# Altium PCB Bub Commander.PcbDoc
Units mm, origin at the board's own origin, x right, y up, seen from the top; angles counter-clockwise.
Board outline 200 x 100 mm, 2 copper layers (Top Layer, Bottom Layer), stack 1.571 mm thick; 109 components, 78 nets, 420 pads, 741 vias.
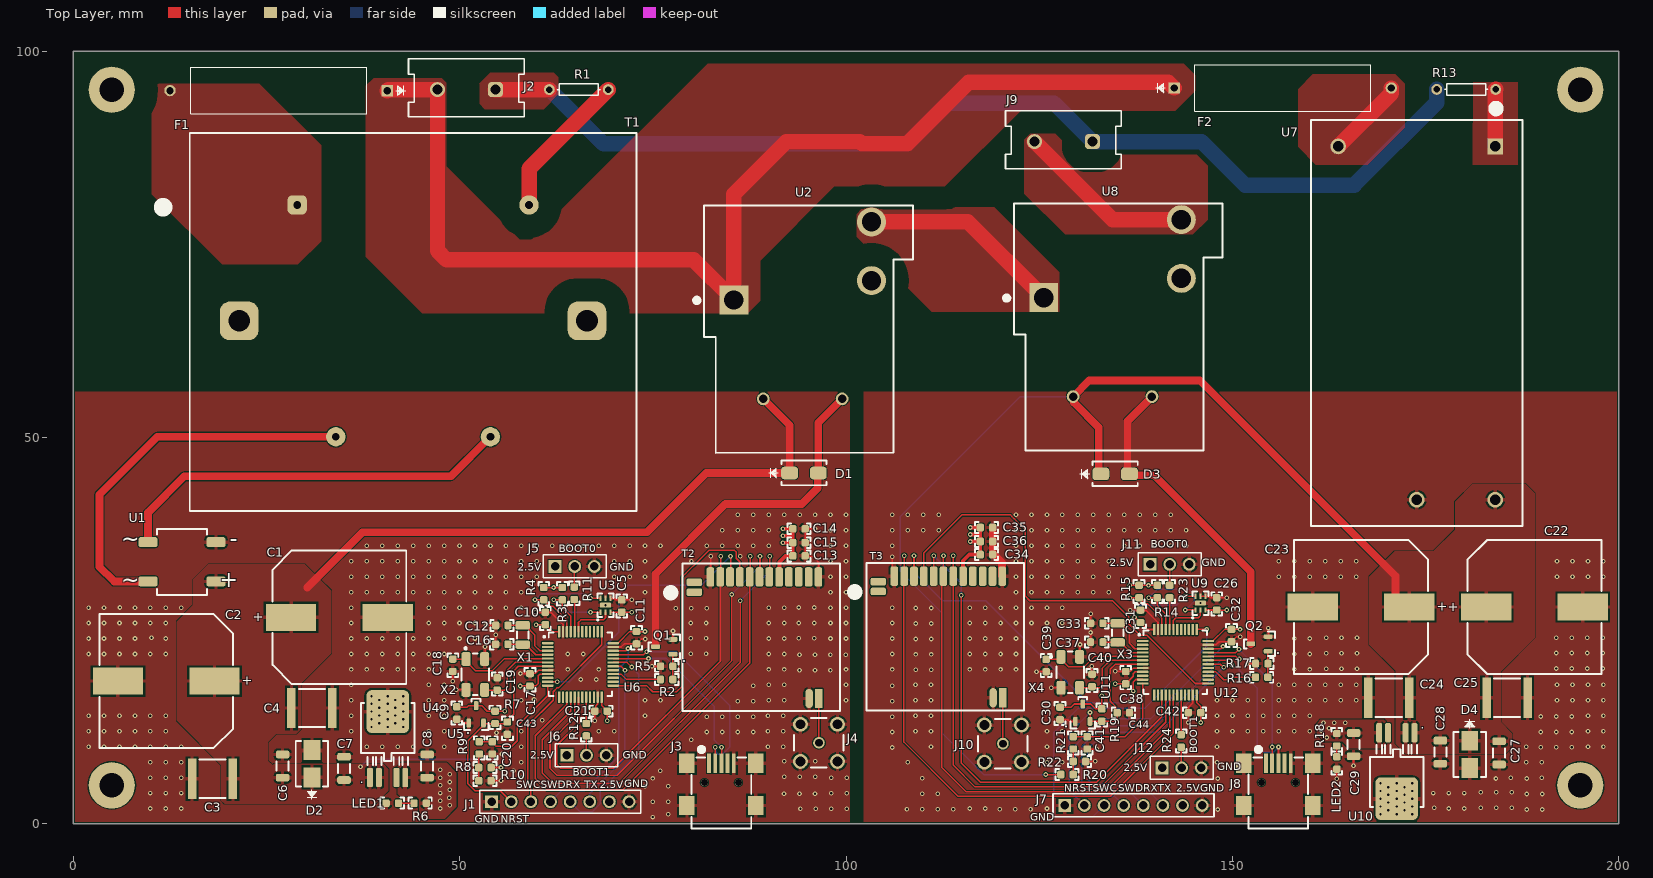
[diagram p0: Top Layer view]
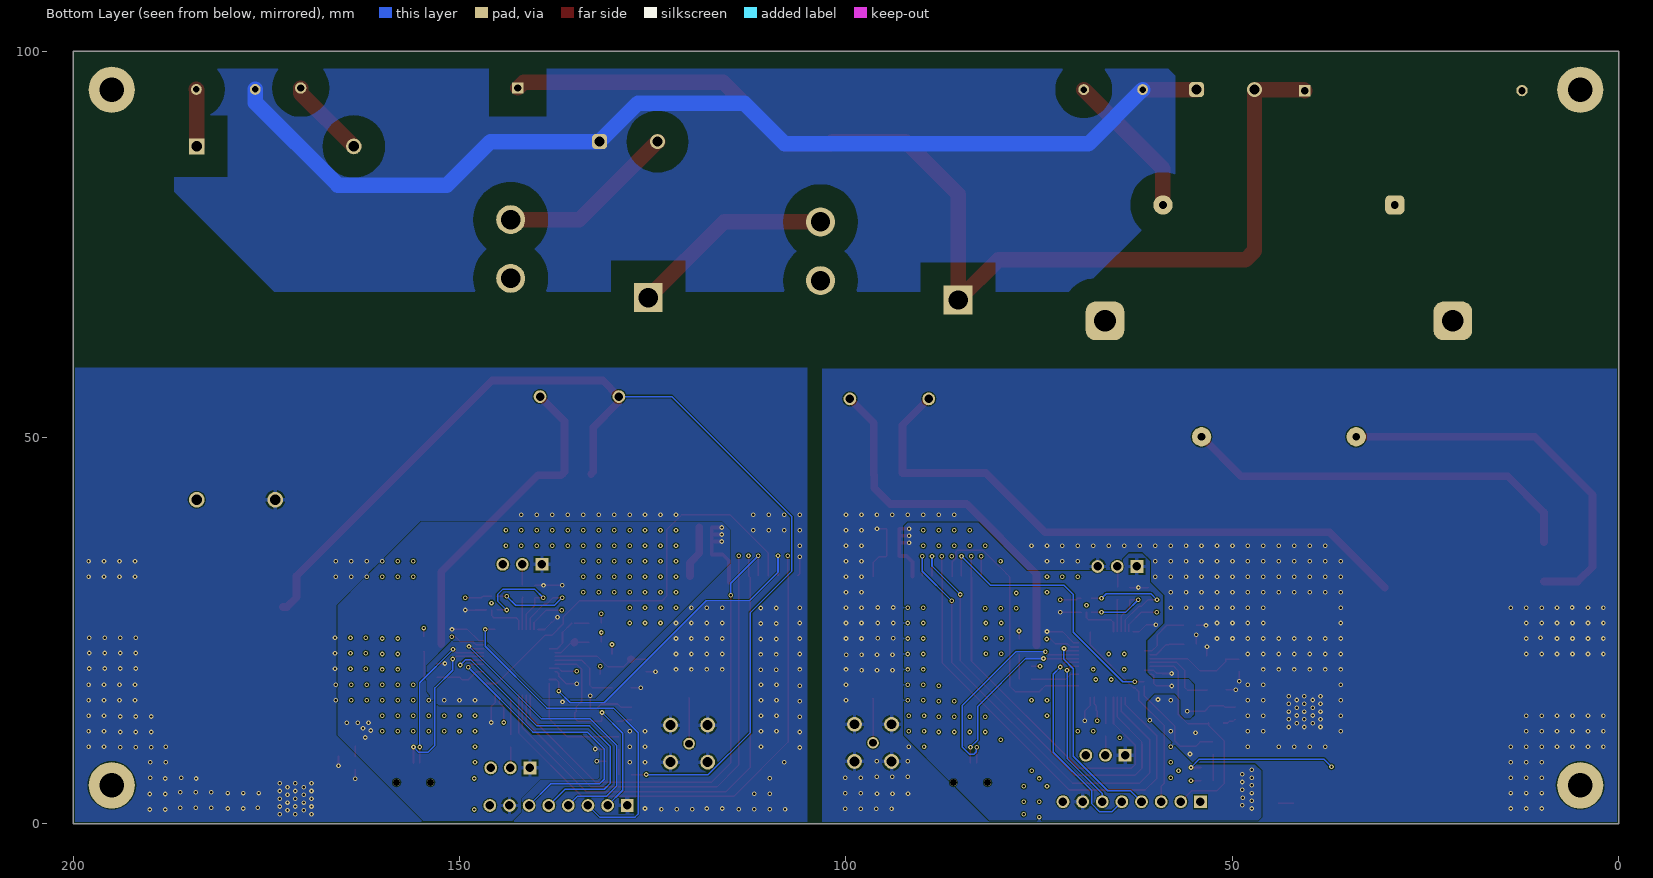
[diagram p1: Bottom Layer view, seen from below]

## Layer stack, top to bottom
Top Solder: solder mask 0.0102, Solder Resist, Dk 3.5
Top Layer: signal copper 0.0356
Dielectric 1: dielectric 1.5, FR-4, Dk 4.8
Bottom Layer: signal copper 0.0356
Bottom Solder: solder mask 0.0102, Solder Resist, Dk 3.5

## Board outline
0,0 0,100 200,100 200,0

## Design rules (kind name [scope] priority, off if disabled: settings)
BoardOutlineClearance [All] p1: gap=0.3 ignorepadtopadclearanceinfootprint=FALSE
Clearance [InNetClass('230V')] p1: gap=3 ignorepadtopadclearanceinfootprint=FALSE
Clearance Clearance_all [All] p2: gap=0.127 ignorepadtopadclearanceinfootprint=FALSE
PolygonConnect PolygonConnect_1 [InNetClass('230V')] p1: connectstyle=Direct reliefconductorwidth=0.254 reliefentries=4 polygonreliefangle="90 Angle" airgapwidth=0.254
PolygonConnect [All] p2: thpad.connectstyle=Relief thpad.reliefconductorwidth=0.5 thpad.reliefentries=4 thpad.polygonreliefangle="90 Angle" thpad.airgapwidth=0.254 smdpad.connectstyle=Relief smdpad.reliefconductorwidth=0.5 smdpad.reliefentries=4 smdpad.polygonreliefangle="90 Angle" smdpad.airgapwidth=0.254 via.connectstyle=Direct via.reliefconductorwidth=0.254 via.reliefentries=4 via.polygonreliefangle="90 Angle" via.airgapwidth=0.254
RoomDefinition BulbCommander2 [InComponentClass('BulbCommander2')] p1: confinementstyle=ConfineIn formatcopy=TRUE lockcomponents=FALSE outline -0.4,-227 50.4,-227 50.4,-201.6 -0.4,-201.6
RoomDefinition BulbCommander1 [InComponentClass('BulbCommander1')] p2: confinementstyle=ConfineIn formatcopy=TRUE lockcomponents=FALSE outline -0.4,-227 50.4,-227 50.4,-201.6 -0.4,-201.6
RoutingVias [All] p1: holewidth=0.711 width=1.27 viastyle="Through Hole" minholewidth=0.711 minwidth=1.27 maxholewidth=0.711 maxwidth=1.27
SilkToSilkClearance [All] p1: silktosilkclearance=0.05
SilkToSolderMaskClearance [IsPad] p1: minsilkscreentomaskgap=0 clearancetoexposedcopper=TRUE
SolderMaskExpansion [All] p1: expansion=0.102 istentingtop=FALSE soldermaskfromhole=TRUE
Width [All] p1: maxlimit=2 minlimit=0.2 preferedwidth=0.2 minimp=50.000000 maximp=50.000000 favimp=50.000000
28 further rules are at their usual default settings.

## Classes and differential pairs
net class 230V: 230V_AC 230V_AC_F1 230V_AC_F2 BULB BULB_FINAL_C NUL NUL_VRT1 NUL_VRT2
component class BulbCommander2: C22 C23 C24 C25 C26 C27 C28 C29 C30 C31 C32 C33 C34 C35 C36 C37 C38 C39 C40 C41 C42 C44 D3 D4 F2 J7 J8 J9 J10 J11 J12 LED2 Q2 R13 R14 R15 R16 R17 R18 R19 R20 R21 R22 R23 R24 T3 U7 U8 U9 U10 U11 U12 X3 X4
component class BulbCommander1: C1 C2 C3 C4 C5 C6 C7 C8 C9 C10 C11 C12 C13 C14 C15 C16 C17 C18 C19 C20 C21 C43 D1 D2 F1 J1 J2 J3 J4 J5 J6 LED1 Q1 R1 R2 R3 R4 R5 R6 R7 R8 R9 R10 R11 R12 T1 T2 U1 U2 U3 U4 U5 U6 X1 X2

## Components (designator, comment, footprint, x,y, rotation, side; value= is the part's Value field where it differs from the comment)
C1 "Cap Pol1" WCAP-ASLL_D16H17 34.452,26.745 r180 top value=470uF
C2 "Cap Pol1" WCAP-ASLL_D16H17 12.049,18.495 r0 top value=470uF
C3 "47uF" 2220 18.032,5.853 r0 top
C4 "47uF" 2220 30.9,15.013 r180 top
C5 "47uF" CASE0603 70.985,28.207 r270 top
C6 "47uF" 1206 27.1,7.5 r270 top
C7 "47uF" 1206 35.05,7.186 r270 top
C8 "47uF" 1206 45.8,7.5 r270 top
C9 "47uF" CASE0603 49.645,14.364 r90 top
C10 "47uF" CASE0603 61.1,26.6 r90 top
C11 "47uF" CASE0603 72.9,24.1 r90 top
C12 "47uF" CASE0603 55.474,25.694 r180 top
C13 "47uF" CASE0603 93.915,34.693 r180 top
C14 "47uF" CASE0603 93.915,38.193 r180 top
C15 "47uF" CASE0603 93.915,36.393 r180 top
C16 "47uF" CASE0603 55.467,23.258 r180 top
C17 "47uF" CASE0603 59.107,18.66 r270 top
C18 "47uF" CASE0603 49.129,20.535 r270 top
C19 "47uF" CASE0603 54.873,18.127 r90 top
C20 "47uF" CASE0603 54.239,9.854 r270 top
C21 "47uF" CASE0603 68.3,14.6 r0 top
C22 "Cap Pol1" WCAP-ASLL_D16H17 189.085,28.076 r180 top value=470uF
C23 "Cap Pol1" WCAP-ASLL_D16H17 166.633,28.076 r0 top value=470uF
C24 "47uF" 2220 170.233,16.343 r0 top
C25 "47uF" 2220 185.533,16.343 r180 top
C26 "47uF" CASE0603 147.963,28.483 r270 top
C27 "47uF" 1206 184.5,9.2 r90 top
C28 "47uF" 1206 176.9,9.3 r90 top
C29 "47uF" 1206 165.667,10.27 r90 top
C30 "47uF" CASE0603 127.7,14.3 r90 top
C31 "47uF" CASE0603 138.103,26.876 r90 top
C32 "47uF" CASE0603 149.878,24.376 r90 top
C33 "DNP" CASE0603 132.452,25.97 r180 top
C34 "47uF" CASE0603 118.172,34.858 r180 top
C35 "47uF" CASE0603 118.172,38.358 r180 top
C36 "47uF" CASE0603 118.172,36.558 r180 top
C37 "DNP" CASE0603 132.445,23.534 r180 top
C38 "47uF" CASE0603 136.183,18.935 r270 top
C39 "22pF" CASE0603 125.9,20.5 r270 top
C40 "22pF" CASE0603 131.84,18.577 r90 top
C41 "47uF" CASE0603 131.2,10.5 r270 top
C42 "47uF" CASE0603 145.1,14.4 r0 top
C43 "47uF" CASE0603 56.185,12.396 r90 top
C44 "47uF" CASE0603 135.885,14.396 r180 top
D1 "ES2AA-13-F" SMA_DIODE 94.558,45.416 r0 top
D2 "SMBJ14CA 14V" SMBJSERIES_LTF-M 30.9,7.8 r90 top
D3 "ES2AA-13-F" SMA_DIODE 134.828,45.296 r0 top
D4 "SMBJ14CA 14V" SMBJSERIES_LTF-M 180.7,9 r270 top
F1 "Fuse" FUSE 26.585,94.896 r180 top
F2 "Fuse" FUSE 156.506,95.229 r0 top
J1 "HDR_1x8" Header_1x8_2.54_Male 54.147,2.883 r0 top
J2 "691137910002" 691137910002 54.644,95.027 r180 top
J3 "CON_USB_Mini_B" CUI_UJ2-MBH-4-SMT 83.881,5.129 r0 top
J4 "SMA_CONNECTOR" LPRS_SMA_CONNECTOR 96.5,10.5 r0 top
J5 "HDR_1x3" HEADER_1X3_2.54_MALE 62.359,33.319 r0 top
J6 "HDR_1x3" HEADER_1X3_2.54_MALE 63.885,8.891 r0 top
J7 "HDR_1x8" Header_1x8_2.54_Male 128.305,2.396 r0 top
J8 "CON_USB_Mini_B" CUI_UJ2-MBH-4-SMT 155.94,5.14 r0 top
J9 "691137910002" 691137910002 131.885,88.296 r180 top
J10 "SMA_CONNECTOR" LPRS_SMA_CONNECTOR 120.3,10.4 r0 top
J11 "HDR_1x3" HEADER_1X3_2.54_MALE 139.337,33.596 r0 top
J12 "HDR_1x3" HEADER_1X3_2.54_MALE 140.889,7.259 r0 top
LED1 "TBD" CASE0603 41.3,2.7 r180 top
LED2 "TBD" CASE0603 163.5,7.9 r270 top
Q1 "2N7002" SOT23-3 76.485,22.929 r180 top
Q2 "2N7002" SOT23-3 153.5,23.3 r180 top
R1 "Res Varistor" AXIAL-0.3 65.428,95.027 r0 top
R2 "10K" CASE0603 76.8,18.7 r180 top
R3 "10K" CASE0603 63.3,29.8 r90 top
R4 "10K" CASE0603 60.9,29.8 r90 top
R5 "10K" CASE0603 76.8,20.4 r0 top
R6 "10K" CASE0603 44.9,2.7 r0 top
R7 "10K" CASE0603 54.6,13.8 r90 top
R8 "10K" CASE0603 53.285,7.296 r0 top
R9 "10K" CASE0603 52.539,9.854 r90 top
R10 "10K" CASE0603 53.285,5.596 r180 top
R11 "10K" CASE0603 64.839,29.854 r90 top
R12 "10K" CASE0603 66.4,12.2 r270 top
R13 "Res Varistor" AXIAL-0.3 180.244,95.04 r0 top
R14 "10K" CASE0603 140.278,30.076 r90 top
R15 "10K" CASE0603 137.919,30.076 r90 top
R16 "10K" CASE0603 153.778,18.976 r180 top
R17 "10K" CASE0603 153.793,20.759 r0 top
R18 "10K" CASE0603 163.5,10.9 r90 top
R19 "10K" CASE0603 133.1,14.1 r90 top
R20 "10K" CASE0603 128.6,6.4 r180 top
R21 "10K" CASE0603 129.4,10.5 r90 top
R22 "10K" CASE0603 130.2,8.1 r180 top
R23 "10K" CASE0603 141.867,30.08 r90 top
R24 "10K" CASE0603 143.369,10.741 r270 top
T1 "44303" TRAF_44303 43.99,65.098 r0 top
T2 "MODULE_SX1278" "LORA SX1278" 88.436,24.107 r180 top
T3 "MODULE_SX1278" "LORA SX1278" 112.236,24.196 r180 top
U1 "DF01S" SOT508P985X260-4N 14.086,33.923 r180 top
U2 "J115F11CH12VDCS61.5" J115F11CH12VDCS615U 85.497,67.803 r0 top
U3 "STTS22HTR" SENSOR_6-UDFN 68.885,28.307 r90 top
U4 "TPS7B8250QKVURQ1" SOT_QKVURQ1_TEX 40.7,12.4 r0 top
U5 "APX803L-15SA-7" SOT23-3 52.147,14.191 r90 top
U6 "STM32F103C8T6" QFP50P900X900X160-48N 65.639,20.654 r0 top
U7 "RAC10-12SK/277" CONV_RAC10-12SK/277 183.997,87.668 r270 top
U8 "J115F11CH12VDCS61.5" J115F11CH12VDCS615U 125.585,68.096 r0 top
U9 "STTS22HTR" SENSOR_6-UDFN 145.863,28.583 r90 top
U10 "TPS7B8250QKVURQ1" SOT_QKVURQ1_TEX 171.263,5.417 r180 top
U11 "APX803L-15SA-7" SOT23-3 130.628,14.401 r90 top
U12 "STM32F103C8T6" QFP50P900X900X160-48N 142.617,20.93 r0 top
X1 "32.768 kHz" XTAL_ECS-.327-12.5-34B-C-TR 58.167,24.458 r90 top
X2 "8MHz" XTAL4P_ABM3B_ABR 52.039,19.354 r0 top
X3 "32.768 kHz" XTAL_ECS-.327-12.5-34B-C-TR 135.145,24.734 r90 top
X4 "8MHz" XTAL4P_ABM3B_ABR 129.017,19.63 r0 top

## Footprints (in the part's own frame and the unit in brackets; to place one, negate y for a bottom-side part, rotate by r counter-clockwise, add the part's x,y. Pads: shape width x height; smd on the part's side, far side on the other; paste and mask are expansions set on the pad)
1206 [mm] "Chip Capacitor, 2-Leads, Body 3.2x1.6mm, IPC Medium Density"
  rrect50% 1x1.75 smd: 1(-1.5,0) 2(1.5,0)
  silkscreen extent -0.6,-0.77 0.6,0.77, body extent -1.6,-0.8 1.6,0.8, height 1
2220 [mm] "Chip Capacitor, 2-Leads, Body 5.7x5.0mm, IPC Medium Density"
  rect 1.1x5.2 smd: 1(-2.65,0) 2(2.65,0)
  silkscreen extent -1.7,-2.47 1.7,2.48, body extent -2.85,-2.5 2.85,2.5, height 2.3
691137910002 [mm] "Horizontal Cable Entry with Pressure Clamp, pitch 7.5mm, 02p"
  rrect50% 1.95x1.95 hole 1.3: 1(0,0)
  round 1.95 hole 1.3: 2(7.5,0)
  silkscreen extent -3.75,-4 11.25,3.5, body extent -3.75,-4 11.25,3.5, height 11.52
AXIAL-0.3 [mm] "Axial Device, Thru-Hole; 2 Leads; 0.3 in Pin Spacing"
  round 1.4 hole 0.85: 1(-3.81,0) 2(3.81,0)
  silkscreen extent -2.77,-0.76 2.77,0.76
CASE0603 [mm]
  rrect50% 0.95x1 smd: 1(-0.8,0) 2(0.8,0)
  silkscreen extent -1.5,-0.7 1.5,0.7, body extent -0.8,-0.43 0.8,0.43, height 0.85
CONV_RAC10-12SK/277 [mm]
  rect 2.03x2.03 hole 1.35: 1(0,0)
  round 2.03 hole 1.35: 2(0,-20.32) 4(45.72,-10.16) 5(45.72,0)
  silkscreen extent -5.4,-23.86 49.11,3.54, body extent -3.39,-23.86 49.11,3.54, height 23
CUI_UJ2-MBH-4-SMT [mm]
  rect 0.5x2.5 smd: 1(-1.6,2.74) 2(-0.8,2.74) 3(0,2.74) 4(0.8,2.74) 5(1.6,2.74)
  rect 2x2.5 smd: SH1(-4.46,2.74) SH2(4.46,2.74) SH3(-4.46,-2.74) SH4(4.46,-2.74)
  round 0.9 hole 0.9 unplated: ""(-2.2,0.23) ""(2.2,0.23)
  silkscreen extent -3.86,-5.71 3.86,4.8, body extent -4.83,-5.71 4.83,3.69, height 0.5
FUSE [mil] "Thru-Hole; 2 Leads"
  rect 58x58 / inner round 60 / far side rect 58x58 hole 38 paste-29 mask+0: 1(-553.15,0)
  round 58 / inner round 60 / far side round 58 hole 38 paste-29 mask+0: 2(553.15,0)
  silkscreen extent -647,-119 448,119, body extent -567,-114 567,114, height 228
HEADER_1X3_2.54_MALE [mm]
  rect 1.65x1.65 hole 1.1: 1(0,0)
  round 1.65 hole 1.1: 2(2.54,0) 3(5.08,0)
  silkscreen extent -1.52,-1.48 6.6,1.5, body extent -1.27,-1.25 6.35,1.24, height 8.51
Header_1x8_2.54_Male [mm]
  rect 1.65x1.65 hole 1.1: 1(0,0)
  round 1.65 hole 1.1: 2(2.54,0) 3(5.08,0) 4(7.62,0) 5(10.16,0) 6(12.7,0) 7(15.24,0) 8(17.78,0)
  silkscreen extent -1.52,-1.48 19.31,1.5, body extent -1.27,-1.25 19.05,1.25, height 8.51
J115F11CH12VDCS615U [mm]
  rect 3.75x3.75 hole 2.5: 1(0,0)
  round 1.65 hole 1.1: 2(3.8,-12.8) 3(14,-12.8)
  round 3.75 hole 2.5: 4(17.8,2.5) 5(17.8,10.1)
  silkscreen extent -5.1,-19.77 23.15,12.21, body extent -3.8,-19.75 23.2,12.3, height 20
"LORA SX1278" [mm]
  rrect50% 2x0.98 smd: 1(8.064,-5.891) 2(8.064,-7.161)
  rrect50% 0.98x2.5 smd: 3(5.98,-7.864) 4(4.71,-7.864) 5(3.44,-7.864) 6(2.17,-7.864) 7(0.9,-7.864) 8(-0.37,-7.864) 9(-1.64,-7.864) 10(-2.91,-7.864) 11(-4.18,-7.864) 12(-5.45,-7.864) 13(-6.72,-7.864) 14(-7.99,-7.864)
  rrect10% 0.98x2.5 smd: 15(-8.064,7.864)
  oval 0.98x2.5 smd: 16(-6.794,7.864)
  silkscreen extent -10.8,-9.6 11.1,9.5, body extent -9.38,-8.38 7.61,8.13, height 2.18
LPRS_SMA_CONNECTOR [mm]
  round 1.508 hole 1: 1(0,0)
  round 1.92 hole 1.28: G1(-2.4,2.4) G2(-2.4,-2.4) G3(2.4,-2.4) G4(2.4,2.4)
  silkscreen extent -3.2,-3.2 3.2,3.2, body extent -3.25,-3.25 3.25,3.25, height 9.6
QFP50P900X900X160-48N [mm]
  rrect50% 1.475x0.3 smd: 1(-4.238,2.75) 2(-4.238,2.25) 3(-4.238,1.75) 4(-4.238,1.25) 5(-4.238,0.75) 6(-4.238,0.25) 7(-4.238,-0.25) 8(-4.238,-0.75) 9(-4.238,-1.25) 10(-4.238,-1.75) 11(-4.238,-2.25) 12(-4.238,-2.75) 25(4.238,-2.75) 26(4.238,-2.25) 27(4.238,-1.75) 28(4.238,-1.25) 29(4.238,-0.75) 30(4.238,-0.25) 31(4.238,0.25) 32(4.238,0.75) 33(4.238,1.25) 34(4.238,1.75) 35(4.238,2.25) 36(4.238,2.75)
  rrect50% 0.3x1.475 smd: 13(-2.75,-4.238) 14(-2.25,-4.238) 15(-1.75,-4.238) 16(-1.25,-4.238) 17(-0.75,-4.238) 18(-0.25,-4.238) 19(0.25,-4.238) 20(0.75,-4.238) 21(1.25,-4.238) 22(1.75,-4.238) 23(2.25,-4.238) 24(2.75,-4.238) 37(2.75,4.238) 38(2.25,4.238) 39(1.75,4.238) 40(1.25,4.238) 41(0.75,4.238) 42(0.25,4.238) 43(-0.25,4.238) 44(-0.75,4.238) 45(-1.25,4.238) 46(-1.75,4.238) 47(-2.25,4.238) 48(-2.75,4.238)
  silkscreen extent -4.8,-4.1 4.1,4.1, body extent -3.5,-3.5 3.5,3.5, height 1
SENSOR_6-UDFN [mm]
  rrect50% 0.7x0.27 smd: 1(-0.89,0.65) 2(-0.89,0) 3(-0.89,-0.65) 4(0.89,-0.65) 5(0.89,0) 6(0.89,0.65)
  rrect50% 0.65x1.45 smd: 7(0,0)
  silkscreen extent -2,-1.05 1.52,1.1, body extent -1,-1 1,1, height 0.55
SMA_DIODE [mm]
  rrect50% 2.18x1.63 smd paste+0 mask+0: 1(-1.857,0) 2(1.857,0)
  silkscreen extent -4.57,-1.59 2.92,1.59, body extent -2.8,-1.46 2.8,1.46, height 2.35
SMBJSERIES_LTF-M [mil]
  rect 101x86 smd paste+0 mask+0: 1(-69.5,0) 2(69.5,0)
  silkscreen extent -180,-82 115,82, body extent -110,-77 110,77, height 98
SOT23-3 [mm]
  rrect50% 1.15x0.6 smd: 1(-1.125,0.95) 2(-1.125,-0.95) 3(1.125,0)
  silkscreen extent -2.02,-1.58 2.02,1.58, body extent -1.25,-1.5 1.25,1.5, height 1.1
SOT508P985X260-4N [mm]
  rrect50% 2.5x1.3 smd: 1(-4.394,2.54) 2(-4.394,-2.54) 3(4.394,-2.54) 4(4.394,2.54)
  silkscreen extent -3.25,-4.27 3.25,4.27, body extent -5.2,-4.16 5.2,4.16, height 2.93
SOT_QKVURQ1_TEX [mil]
  rrect50% 30x98 smd paste+0 mask+0: 1(-89.76,-251.5) 2(-44.88,-251.5) 4(44.88,-251.5) 5(89.76,-251.5)
  rrect25% 217x218 smd paste+0 mask+0: 3(0,84.5)
  silkscreen extent -137,-188 137,128, body extent -132,-286 132,173, height 94
TRAF_44303 [mm]
  round 2.5 hole 1: 1(15,15) 9(-10,-15) 13(10,-15)
  rrect50% 2.5x2.5 hole 1: 7(-15,15)
  rrect50% 5x5 hole 2.8 unplated: MH1(-22.5,0) MH2(22.5,0)
  silkscreen extent -32.54,-24.6 28.9,24.3, body extent -28.5,-24 28.5,24, height 40
WCAP-ASLL_D16H17 [mm] "Aluminium Electrolytic V-Chip SMT Capacitors, 16x17mm"
  rect 6.5x3.5 smd: 1(6.25,0) 2(-6.25,0)
  silkscreen extent -8.65,-8.65 8.65,8.65, body extent -9.15,-8.5 9.15,8.5, height 17.05
XTAL4P_ABM3B_ABR [mm]
  rrect50% 1.194x1.803 smd paste+0 mask+0: 1(-1.2,2) 2(-1.2,-2) 3(1.2,-2) 4(1.2,2)
  silkscreen extent -1.78,-2.68 1.78,3.49, body extent -1.65,-2.55 1.65,2.55, height 1.09
XTAL_ECS-.327-12.5-34B-C-TR [mm]
  rrect50% 1.1x1.9 smd: 1(-1.25,0) 2(1.25,0)
  silkscreen extent -0.44,-0.75 0.44,0.75, body extent -1.6,-0.75 1.6,0.75, height 0.9

## Part data
C1 C2 C22 C23: library part Capacitor_Pol_470uF, "Capacitor_Pol_470uF", LatestRevisionDate=17-Jul-2002, LatestRevisionNote="Re-released for DXP Platform.", PackageDescription="Polarized Capacitor (Radial); 2 Leads", PackageReference=RB7.6-15, Published=8-Jun-2000, Publisher="Altium Limited"
C3 C4 C24 C25: library part Capacitor_47uF_2220, "CAP CER 47uF 20% 35V X7R 2220", MFR=TBD, Datasheet=TBD, MFR PN=TBD, Supplier=TBD, Supplier PN=TBD
C5 C6 C7 C8 C9 C10 C11 C12 C13 C14 C15 C16 C17 C18 C19 C20 C21 C26 C27 C28 C29 C30 C31 C32 C34 C35 C36 C38 C39 C40 C41 C42 C43 C44: library part Capacitor_47uF_1206, "CAP CER 47uF 20% 35V X7R 2220", MFR=TBD, Datasheet=TBD, MFR PN=TBD, Supplier=TBD, Supplier PN=TBD
C33 C37: library part Capacitor_47uF_0603, "CAP CER 47uF 20% 35V X7R 2220", MFR=TBD, Datasheet=TBD, MFR PN=TBD, Supplier=TBD, Supplier PN=TBD
D1 D3: library part Diode_SMA, "DIODE STANDARD 50V 2A SMA", MFR="Diodes Incoprated", Datasheet=https://www.digikey.ro/en/products/detail/diodes-incorporated/ES2AA-13-F/765452?curr=usd&utm_campaign=buynow&utm_medium=aggregator&utm_source=octopart, MFR PN=ES2AA-13-F, Supplier=DigiKey, Supplier PN=ES2AA-FDICT-ND
D2 D4: library part Diode_SMBJ14CA, "SMBJ14CA TVS DIODE 14V", Mfr_Name="Littelfuse Inc"
J1 J7: "HDR MALE 2.54MM PCB", MFR=Wurth, MFR PN=691210910002, Datasheet=https://www.digikey.ro/en/products/detail/w%C3%BCrth-elektronik/691210910002/10668428?s=N4IgTCBcDaIGwE4CMYkAZlqxAugXyA, Supplier="Digi Key", Supplier PN=732-691210910002-ND
J2 J9: library part CON_1x2, "TERM BLOCK 2P HORIZON 7.5MM PCB", MFR=Wurth, MFR PN=691101710002, Datasheet=https://www.digikey.ro/en/products/detail/w%C3%BCrth-elektronik/691101710002/2060522?s=N4IgTCBcDaIGwE4CMSAMSDsbWogXQF8g, Supplier="Digi Key", Supplier PN=732-2026-ND
J3 J8: "USB B mini", MFR="Same Sky", MFR PN=102-5892-1-ND, Datasheet=https://www.digikey.ro/en/products/detail/same-sky-formerly-cui-devices/UJ2-MBH-4-SMT-TR/6188086, Supplier=DigiKey, Supplier PN=102-5892-1-ND
J4 J10: "Straight SMA Connector", Package=None, Availability=Unavailable, MP=altium_native_batch, Price=None
J5 J6 J11 J12: "HDR MALE 3 x 2.54MM PCB", MFR=Wurth, MFR PN=691210910002, Datasheet=https://www.digikey.ro/en/products/detail/w%C3%BCrth-elektronik/691210910002/10668428?s=N4IgTCBcDaIGwE4CMYkAZlqxAugXyA, Supplier="Digi Key", Supplier PN=732-691210910002-ND
LED1 LED2: library part LED, "Typical INFRARED GaAs LED"
Q1 Q2: library part Transistor_NMOS, "MOSFET N-CH 60V 280MA SOT23-3", MFR=Microchip, MFR PN=2N7002-G, Datasheetr=https://eu.mouser.com/ProductDetail/Microchip-Technology/2N7002-G?qs=D%2FHwGy7fPj%2F0m3YgJ%252BOEvg%3D%3D&gad_source=1&gclid=CjwKCAiA-vOsBhAAEiwAIWR0TUe7q_QostOicZHu1AHXgQXTk64doIjIByY-NhPhM9vjgvrvT5qG4BoC-HkQAvD_BwE&_gl=1*1hvi63b*_ga*MjAyNjQwOTA4MS4xNzA0NjI4Mjkx*_ga_15W4STQT4T*MTcwNDgyMjg3Ni4yLjEuMTcwNDgyMjg3Ni42MC4wLjA., Supplier=689-2N7002-G, Supplier PN=689-2N7002-G
R1 R13: "Varistor (Voltage-Sensitive Resistor)", Code_IPC=RESC2012, LatestRevisionDate=29-May-2009, LatestRevisionNote="IPC-7351 Footprint Added.", PackageDescription="Chip Resistor 0805 Case Size", PackageReference=6-0805, PackageVersion=Mar-2003, Published=24-Mar-1999, Publisher="Altium Limited"
R2 R3 R4 R5 R6 R7 R8 R9 R10 R11 R12 R14 R15 R16 R17 R18 R19 R20 R21 R22 R23 R24: library part Resistor_10K_0603, "RES 10K 1% 1/10W 0603", MFR=YAGEO, MFR PN=RC0603FR-0710KL, Datasheet=https://eu.mouser.com/ProductDetail/YAGEO/RC0603FR-0710KL?qs=grNVn54RoB%252B3GtjbJj3wJQ%3D%3D, Supplier=Mouser, Supplier PN=603-RC0603FR-0710KL
T1: library part TRAF_44303, "PCB Transformer, EI 54 x 18.8, Encapsulated Safety Isolating, 230V, 12V, 16 VA, 50Hz / 60Hz", MFR=MYRRA, Datasheet=https://ro.farnell.com/myrra/44303/transformer-16va-12v/dp/1689094, MFR PN=44303, Supplier=Farnel, Supplier PN=1689094
T2 T3: "MODULE_SX1278 LORA 433 MHz", MFR=LORA, Datasheet=https://www.aliexpress.com/item/1005001894642323.html, MFR PN=LORA, Supplier=LORA, Supplier PN=LORA
U1: library part RECT_DF01S, "BRIDGE RECT 1P 100V 1.5A 4-SDIP", MFR=onsemi, Datasheet=https://www.onsemi.com/download/data-sheet/pdf/df10s-d.pdf, MFR PN=DF01S, Supplier="Digi Key", Supplier PN=DF01SCT-ND
U2 U8: library part RELAY_J115F11CH12VDCS61.5, "RELAY GEN PURPOSE SPDT 50A 12V", MFR="CIT Relay and Switch", Datasheet=https://www.citrelay.com/Catalog%20Pages/RelayCatalog/J115F%2050amp.pdf, MFR PN=J115F11CH12VDCS61.5, Supplier="Digi Key", Supplier PN=J115F11CH12VDCS61.2449-J115F11CH12VDCS61.5-ND5U
U3 U9: library part SENSOR_STTS22HTR, "Low-voltage, ultralow-power, 0.5°C accuracy I²C/SMBus 3.0 temperature sensor", MFR=STMicroelectronics, Datasheet=https://www.digikey.com/en/products/detail/stmicroelectronics/STTS22HTR/10668399, MFR PN=STTS22HTR, Supplier=Digi-Key, Supplier PN=497-STTS22HCT-ND
U4 U10: library part CONV_LDO_TPS7B8250QKVURQ1, MFR="Texas Instruments", Datasheet=https://www.digikey.ro/en/products/detail/texas-instruments/TPS7B8250QKVURQ1/12352207?s=N4IgTCBcDaICoAUDKB2AQgDjAVgAwEUBpANQFUAlfARhAF0BfIA, MFR PN=TPS7B8250QKVURQ1, Supplier=DigiKey, Supplier PN=296-TPS7B8250QKVURQ1CT-ND
U5 U11: library part IC_APX803L-15SA-7, "Supervisor Open Drain or Open Collector 1 Channel SOT-23-3", MFR="Diodes Incorporated", Datasheet=https://www.aliexpress.com/item/1005001894642323.html, MFR PN=APX803L-15SA-7, Supplier="Digi key", Supplier PN=31-APX803L-15SA-7CT-ND
U6 U12: library part IC_STM32F103C8T6, "IC MCU 32BIT 64KB FLASH 48LQFP", MFR=STMicroelectronics, Datasheet=https://www.st.com/resource/en/datasheet/stm32f103cb.pdf, MFR PN=STM32F103C8T6, Supplier="Digi Key", Supplier PN=497-6063-ND
U7: library part CONV_RAC10-12SK/277, "AC/DC CONVERTER 12V 10W", MFR=RECOM, Datasheet=https://recom-power.com/pdf/Powerline_AC-DC/RAC10-K_277.pdf, MFR PN=RAC10-12SK/277, Supplier="Digi Key", Supplier PN=945-3122-5-ND
X1 X3: library part Crystal_ECS-.327-12.5-34B-C-TR, "32.768 kHz ±10ppm Crystal 12.5pF 70 kOhms 2-SMD, No Lead", MFR=ECS, MFR PN=ECS-.327-12.5-34B-C-TR, Datasheet=https://www.digikey.ro/en/products/detail/ecs-inc/ECS-327-12-5-34B-C-TR/3927328, Supplier="Digi Key", Supplier PN=XC1968CT-ND
X2 X4: library part ABM3B-8.000MHZ-10-1UT, "8 MHz Crystal", MFR=Abracon, MFR PN=ABM3B-8.000MHZ-10-1-U-T, Datasheet=https://www.digikey.ro/en/products/detail/abracon-llc/ABM3B-8-000MHZ-10-1-U-T/1873167, Supplier=Digi-Key, Supplier PN=535-9721-1-ND
F1 F2: LatestRevisionDate=17-Jul-2002, LatestRevisionNote="Re-released for DXP Platform.", PackageDescription="Thru-Hole; 2 Leads", PackageReference=PIN-W2/E2.8, Published=8-Jun-2000, Publisher="Altium Limited"

## Free pads (board coordinates)
  round 6 hole 3.2: MH(5,5) MH(5,95) MH(195,95) MH(195,5)

## Via types
v1: diameter 0.6, hole 0.3, Top Layer to Bottom Layer, tented both sides, 741 vias
